# Altium PCB Ixora.PcbDoc (part 7 of 13)
Units mm, origin at the board's own origin, x right, y up, seen from the top; angles counter-clockwise.
Board outline 125 x 90 mm, 6 copper layers (Top Layer, GND, Mid-Layer 1, Mid-Layer 2, POWER, Bottom Layer), stack 1.561 mm thick; 454 components, 512 nets, 2071 pads, 863 vias.
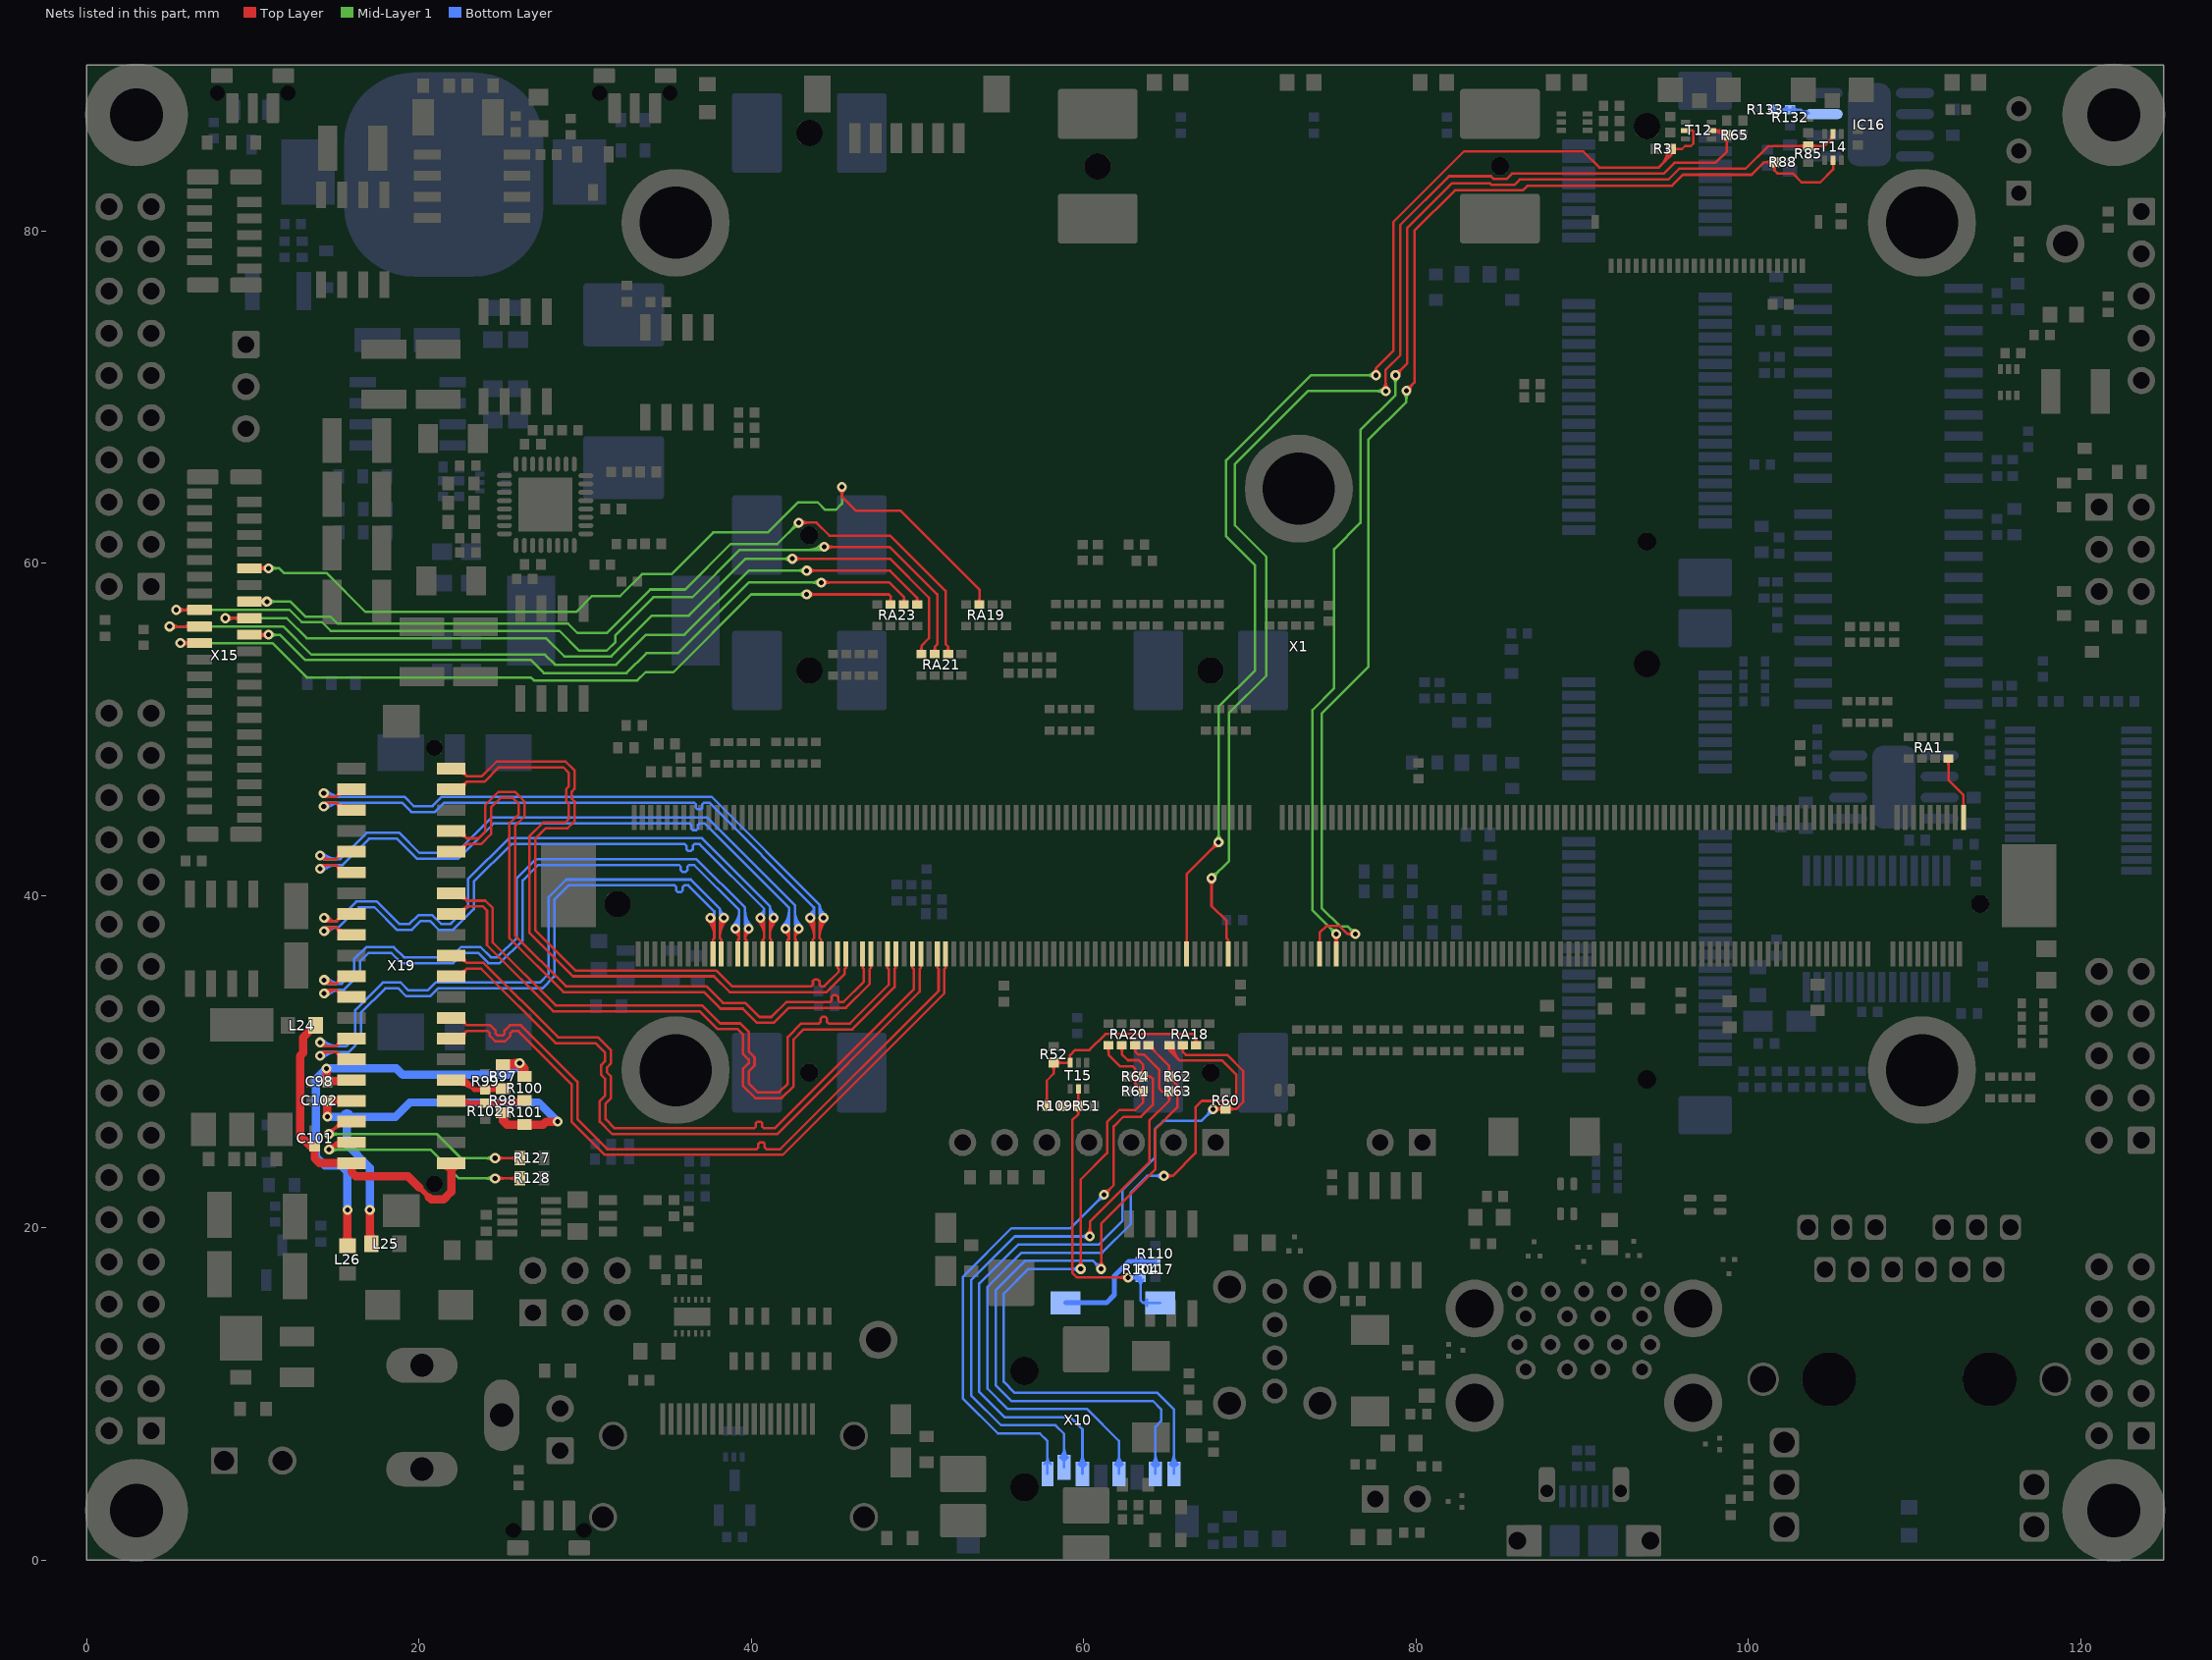
[diagram p11: the nets of this part, all layers, seen from the top]

## Via types
v1: diameter 0.6, hole 0.3, Top Layer to Bottom Layer, tented both sides, 852 vias
v2: diameter 0.6, hole 0.3, Top Layer to Bottom Layer, 11 vias

## Nets (pads, with @x,y where several pads share a name; then routed paths per layer and width w, separated by ;. In a path a pad name is that pad's centre, name@x,y a point inside that pad or via, vN(x,y) a via of type N, cw(c..) or ccw(c..) an arc to the next point about the centre after c; other vN are vias at no path point) (continued)
LCD1_R2: RA21.7 X15.27 | length 56.5
  Top Layer w0.15: X15.27@9.705,57.7 v1(10.855,57.7) ; X15.27@10.409,57.541 cw(c10.793,57.157) 10.793,57.7 cw(c10.793,58.243) X15.27@10.409,57.859 ; X15.27@10.445,57.588 cw(c10.531,57.539) 10.557,57.634 cw(c10.586,57.745) X15.27@10.473,57.73 ; X15.27@10.445,57.812 ccw(c10.531,57.861) 10.557,57.766 ccw(c10.586,57.655) X15.27@10.473,57.67 ; v1@10.696,57.541 ccw(c10.312,57.157) 10.312,57.7 ccw(c10.312,58.243) v1@10.696,57.859 ; v1(42.855,62.448) 43.927,62.448 44.704,61.671 48.362,61.671 51.695,58.338 51.695,55.139 51.847,54.987 RA21.7@51.847,54.555 ; v1@43.014,62.289 cw(c43.398,61.905) 43.398,62.448 cw(c43.398,62.991) v1@43.014,62.607 ; RA21.7@51.723,54.679 ccw(c51.425,54.978) 51.847,54.978 ccw(c52.27,54.978) RA21.7@51.971,54.679
  Mid-Layer 1 w0.15: v1(10.855,57.7) 12.277,57.7 13.183,56.794 14.681,56.794 15.113,56.363 28.987,56.363 29.55,55.8 31.3,55.8 33.926,58.426 36.024,58.426 38.755,61.158 41.565,61.158 v1(42.855,62.448) ; v1@11.014,57.541 cw(c11.398,57.157) 11.398,57.7 cw(c11.398,58.243) v1@11.014,57.859 ; v1@42.63,62.448 cw(c42.087,62.448) 42.471,62.064 cw(c42.855,61.68) v1@42.855,62.223
LCD1_R3: RA21.6 X15.26 | length 61.8
  Top Layer w0.15: v1(5.4,57.2) 5.45,57.2 X15.26@6.8,57.2 ; v1@5.559,57.041 cw(c5.943,56.657) 5.943,57.2 cw(c5.943,57.743) v1@5.559,57.359 ; X15.26@6.191,57.041 ccw(c5.807,56.657) 5.807,57.2 ccw(c5.807,57.743) X15.26@6.191,57.359 ; v1(44.383,60.992) 48.334,60.992 51.195,58.131 51.195,55.122 51.047,54.974 ; v1@44.542,60.833 cw(c44.926,60.449) 44.926,60.992 cw(c44.926,61.535) v1@44.542,61.151 ; RA21.6@50.924,54.68 ccw(c50.633,54.974) 51.047,54.974 ; RA21.6@51.047,54.555 51.047,54.974 ; RA21.6@51.17,54.68 cw(c51.462,54.974) 51.047,54.974
  Mid-Layer 1 w0.15: v1(5.4,57.2) 12.218,57.2 12.954,56.464 14.163,56.464 14.697,55.931 28.469,55.931 29.659,54.741 31.291,54.741 31.826,55.276 31.826,55.676 34.113,57.963 36.463,57.963 39.308,60.808 44.198,60.808 v1(44.383,60.992) ; v1@5.559,57.041 cw(c5.943,56.657) 5.943,57.2 cw(c5.943,57.743) v1@5.559,57.359 ; 43.394,60.808 ccw(c43.394,61.98) v1@44.224,61.151 ; 43.756,60.808 ccw(c43.756,61.618) v1@44.33,61.045 ; 44.119,60.808 ccw(c44.119,61.256) v1@44.436,60.939
LCD1_R4: RA21.5 X15.25 | length 57.5
  Top Layer w0.15: v1(8.35,56.7) X15.25@9.8,56.7 ; v1@8.509,56.541 cw(c8.893,56.157) 8.893,56.7 cw(c8.893,57.243) v1@8.509,56.859 ; X15.25@9.191,56.541 ccw(c8.807,56.157) 8.807,56.7 ccw(c8.807,57.243) X15.25@9.191,56.859 ; v1(42.474,60.277) 48.349,60.277 50.699,57.926 50.699,55.495 50.247,55.043 RA21.5@50.247,54.555 ; RA21.5@50.123,54.679 ccw(c49.825,54.978) 50.247,54.978 ccw(c50.67,54.978) RA21.5@50.371,54.679 ; 43.017,60.277 ccw(c43.017,59.734) 42.633,60.118 cw(c43.017,59.734) 43.017,60.277 ; 43.017,60.277 cw(c43.017,60.82) 42.633,60.436 ccw(c43.017,60.82) 43.017,60.277
  Mid-Layer 1 w0.15: v1(8.35,56.7) 12.058,56.7 13.259,55.499 27.652,55.499 28.751,54.4 31.584,54.4 34.034,56.85 36.25,56.85 39.677,60.277 v1(42.474,60.277) ; v1@8.509,56.541 cw(c8.893,56.157) 8.893,56.7 cw(c8.893,57.243) v1@8.509,56.859 ; v1@42.315,60.118 ccw(c41.931,59.734) 41.931,60.277 ccw(c41.931,60.82) v1@42.315,60.436
LCD1_R5: RA23.8 X15.24 | length 56.9
  Top Layer w0.15: v1(5,56.2) X15.24@6.8,56.2 ; v1@5.159,56.041 cw(c5.543,55.657) 5.543,56.2 cw(c5.543,56.743) v1@5.159,56.359 ; X15.24@6.191,56.041 ccw(c5.807,55.657) 5.807,56.2 ccw(c5.807,56.743) X15.24@6.191,56.359 ; v1(43.341,59.562) 48.353,59.562 49.987,57.927 ; RA23.8@49.87,57.666 ccw(c49.636,57.927) 49.987,57.927 ; RA23.8@49.987,57.536 49.987,57.927 ; RA23.8@50.104,57.666 cw(c50.338,57.927) 49.987,57.927 ; 43.885,59.562 cw(c43.885,60.105) 43.5,59.721 ccw(c43.885,60.105) 43.885,59.562 ; 43.885,59.562 ccw(c43.885,59.018) 43.5,59.403 cw(c43.885,59.018) 43.885,59.562
  Mid-Layer 1 w0.15: v1(5,56.2) 11.847,56.2 13.538,54.508 27.592,54.508 28.2,53.9 31.877,53.9 33.677,55.7 35.984,55.7 39.845,59.562 v1(43.341,59.562) ; v1@5.159,56.041 cw(c5.543,55.657) 5.543,56.2 cw(c5.543,56.743) v1@5.159,56.359 ; v1@43.182,59.403 ccw(c42.798,59.018) 42.798,59.562 ccw(c42.798,60.105) v1@43.182,59.721
LCD1_R6: RA23.7 X15.23 | length 49.4
  Top Layer w0.15: X15.23@9.8,55.7 v1(10.95,55.7) ; X15.23@10.409,55.541 cw(c10.793,55.157) 10.793,55.7 cw(c10.793,56.243) X15.23@10.409,55.859 ; X15.23@10.44,55.579 cw(c10.57,55.496) 10.61,55.645 cw(c10.668,55.861) X15.23@10.46,55.781 ; X15.23@10.44,55.821 ccw(c10.57,55.904) 10.61,55.755 ccw(c10.668,55.539) X15.23@10.46,55.619 ; v1@10.791,55.541 ccw(c10.407,55.157) 10.407,55.7 ccw(c10.407,56.243) v1@10.791,55.859 ; v1(44.209,58.846) 48.316,58.846 49.187,57.976 RA23.7@49.187,57.536 ; v1@44.368,58.687 cw(c44.752,58.303) 44.752,58.846 cw(c44.752,59.39) v1@44.368,59.006 ; RA23.7@49.063,57.659 ccw(c48.765,57.958) 49.187,57.958 ccw(c49.609,57.958) RA23.7@49.311,57.659
  Mid-Layer 1 w0.15: v1(10.95,55.7) 11.635,55.7 13.157,54.178 26.746,54.178 27.524,53.4 32.5,53.4 33.7,54.6 35.6,54.6 39.846,58.846 v1(44.209,58.846) ; v1@11.109,55.541 cw(c11.493,55.157) 11.493,55.7 cw(c11.493,56.243) v1@11.109,55.859 ; v1@11.16,55.619 cw(c11.279,55.572) 11.279,55.7 cw(c11.279,55.828) v1@11.16,55.781 ; v1@44.05,58.687 ccw(c43.666,58.303) 43.666,58.846 ccw(c43.666,59.39) v1@44.05,59.006
LCD1_R7: RA23.6 X15.22 | length 53.2
  Top Layer w0.15: v1(5.65,55.2) X15.22@6.8,55.2 ; v1@5.809,55.041 cw(c6.193,54.657) 6.193,55.2 cw(c6.193,55.743) v1@5.809,55.359 ; X15.22@6.14,55.119 ccw(c5.932,55.039) 5.99,55.255 ccw(c6.03,55.404) X15.22@6.16,55.321 ; X15.22@6.14,55.281 cw(c5.932,55.361) 5.99,55.145 cw(c6.03,54.996) X15.22@6.16,55.079 ; X15.22@6.191,55.041 ccw(c5.807,54.657) 5.807,55.2 ccw(c5.807,55.743) X15.22@6.191,55.359 ; v1(43.341,58.131) 48.28,58.131 48.387,58.024 RA23.6@48.387,57.536 ; v1@43.5,57.972 cw(c43.885,57.588) 43.885,58.131 cw(c43.885,58.674) v1@43.5,58.29 ; RA23.6@48.263,57.659 ccw(c47.965,57.958) 48.387,57.958 ccw(c48.809,57.958) RA23.6@48.511,57.659
  Mid-Layer 1 w0.15: v1(5.65,55.2) 11.189,55.2 13.252,53.137 26.738,53.137 26.925,52.95 33.15,52.95 33.65,53.45 35.315,53.45 39.996,58.131 v1(43.341,58.131) ; v1@5.809,55.041 cw(c6.193,54.657) 6.193,55.2 cw(c6.193,55.743) v1@5.809,55.359 ; v1@43.182,57.972 ccw(c42.798,57.588) 42.798,58.131 ccw(c42.798,58.674) v1@43.182,58.29
LCD1_VSYNC: RA19.6 X15.31 | length 58.6
  Top Layer w0.15: X15.31@9.8,59.7 v1(10.95,59.7) ; X15.31@10.409,59.541 cw(c10.793,59.157) 10.793,59.7 cw(c10.793,60.243) X15.31@10.409,59.859 ; X15.31@10.44,59.579 cw(c10.57,59.496) 10.61,59.645 cw(c10.668,59.861) X15.31@10.46,59.781 ; X15.31@10.44,59.821 ccw(c10.57,59.904) 10.61,59.755 ccw(c10.668,59.539) X15.31@10.46,59.619 ; v1@10.791,59.541 ccw(c10.407,59.157) 10.407,59.7 ccw(c10.407,60.243) v1@10.791,59.859 ; v1@45.298,64.434 cw(c44.914,64.05) 45.458,64.05 cw(c46.001,64.05) v1@45.617,64.434 ; v1(45.458,64.593) 45.458,64.016 46.308,63.166 48.988,63.166 53.734,58.42 RA19.6@53.734,57.536 ; RA19.6@53.611,57.659 ccw(c53.312,57.958) 53.734,57.958 ccw(c54.157,57.958) RA19.6@53.858,57.659
  Mid-Layer 1 w0.15: v1(10.95,59.7) 11.6,59.7 11.875,59.425 14.439,59.425 16.789,57.074 29.464,57.074 30.429,58.039 32.119,58.039 33.433,59.353 35.198,59.353 37.704,61.859 41.006,61.859 42.824,63.678 43.993,63.678 44.45,63.221 45.085,63.221 45.458,63.593 v1(45.458,64.593) ; v1@11.109,59.541 cw(c11.493,59.157) 11.493,59.7 cw(c11.493,60.243) v1@11.109,59.859 ; v1@45.298,64.434 cw(c44.914,64.05) 45.458,64.05 cw(c46.001,64.05) v1@45.617,64.434
LED_4_GREEN: R3.1 T12.2 X1.188 | length 82.6
  Top Layer w0.15: X1.188@66.2,36.5 66.2,41.283 v1(68.123,43.205) ; v1@67.898,43.205 cw(c67.355,43.205) 67.739,42.821 cw(c68.123,42.437) v1@68.123,42.98 ; v1@77.468,71.508 ccw(c77.295,71.755) 77.597,71.755 ; v1(77.597,71.323) 77.597,71.755 ; v1@77.726,71.508 cw(c77.899,71.755) 77.597,71.755 ; 94.737,83.942 ccw(c93.766,84.913) R3.1@95.139,84.913 ; 94.993,84.198 ccw(c94.278,84.913) R3.1@95.289,84.913 ; R3.1@95.246,84.729 cw(c95.148,84.554) 95.349,84.554 ; 95.249,84.454 ccw(c94.791,84.913) R3.1@95.439,84.913 ; R3.1@95.452,84.729 ccw(c95.55,84.554) 95.349,84.554 ; R3.1@95.52,84.815 cw(c95.758,84.644) 95.758,84.938 cw(c95.758,85.231) R3.1@95.52,85.06 ; T12.2@96.213,86.055 96.622,86.055 96.698,85.979 96.698,85.268 96.545,85.115 96.19,85.115 96.012,84.938 R3.1@95.349,84.938 95.349,84.554 ; T12.2@96.401,86.002 cw(c96.529,85.874) 96.529,86.055 cw(c96.529,86.236) T12.2@96.401,86.108 ; 66.2,37.306 cw(c66.019,37.306) 66.147,37.178 ccw(c66.019,37.306) 66.2,37.306 ; 66.2,37.306 ccw(c66.381,37.306) 66.253,37.178 cw(c66.381,37.306) 66.2,37.306 ; 77.597,71.755 78.632,72.79 78.632,80.539 82.885,84.792 90.062,84.792 91.034,83.82 94.615,83.82 95.349,84.554
  Mid-Layer 1 w0.15: v1@67.964,43.364 ccw(c67.58,43.749) 68.123,43.749 ccw(c68.666,43.749) v1@68.282,43.364 ; v1(68.123,43.205) 68.123,51.359 70.325,53.561 70.325,59.875 68.572,61.628 68.572,66.207 73.688,71.323 v1(77.597,71.323) ; v1@77.438,71.164 ccw(c77.054,70.78) 77.054,71.323 ccw(c77.054,71.866) v1@77.438,71.482
LED_4_RED: R65.1 T12.5 X1.178 | length 84.3
  Top Layer w0.15: v1@67.541,40.887 cw(c67.157,40.503) 67.7,40.503 cw(c68.243,40.503) v1@67.859,40.887 ; v1(67.7,41.046) 67.7,39.386 68.605,38.481 68.605,37.44 68.7,37.345 X1.178@68.7,36.5 ; X1.178@68.647,37.153 ccw(c68.519,37.281) 68.7,37.281 ccw(c68.881,37.281) X1.178@68.753,37.153 ; v1@78.022,70.526 ccw(c77.638,70.91) 78.181,70.91 ccw(c78.724,70.91) v1@78.34,70.526 ; v1(78.181,70.367) 78.181,71.653 79.057,72.53 79.057,80.362 81.994,83.299 84.513,83.299 84.678,83.134 85.446,83.134 85.769,83.457 94.913,83.457 95.555,84.099 98.019,84.099 98.707,84.788 R65.1@98.707,85.776 ; T12.5@97.981,86.002 cw(c98.109,85.874) 98.109,86.055 cw(c98.109,86.236) T12.5@97.981,86.108 ; T12.5@97.993,86.093 ccw(c98.253,86.243) 98.175,85.953 ; 98.088,86.055 cw(c98.088,85.349) R65.1@98.659,85.765 ; 98.383,86.055 cw(c98.383,85.564) R65.1@98.78,85.854 ; 98.404,86.025 cw(c98.179,85.801) R65.1@98.497,85.801 ; R65.1@98.537,85.677 ccw(c97.793,85.133) T12.5@97.793,86.055 98.374,86.055 ; R65.1@98.564,85.597 cw(c98.263,85.27) 98.707,85.27 cw(c99.151,85.27) R65.1@98.85,85.597 ; R65.1@98.635,85.998 cw(c98.549,86.23) 98.374,86.055 ; R65.1@98.656,85.776 98.654,85.776 98.374,86.055
  Mid-Layer 1 w0.15: v1(67.7,41.046) 68.758,42.104 68.758,51.003 70.993,53.238 70.993,60.401 69.113,62.281 69.113,65.983 73.497,70.367 v1(78.181,70.367) ; v1@67.7,41.271 ccw(c67.7,41.815) 68.084,41.431 ccw(c68.468,41.046) v1@67.925,41.046 ; v1@78.022,70.208 ccw(c77.638,69.824) 77.638,70.367 ccw(c77.638,70.91) v1@78.022,70.526
LED_5_GREEN: R85.1 T14.2 X1.152 | length 80.7
  Top Layer w0.15: v1@75.041,37.541 cw(c74.657,37.157) 75.2,37.157 cw(c75.743,37.157) v1@75.359,37.541 ; X1.152@75.135,37.138 ccw(c74.935,37.253) 75.158,37.313 ; X1.152@75.147,37.153 ccw(c75.019,37.281) 75.2,37.281 ccw(c75.381,37.281) X1.152@75.253,37.153 ; X1.152@75.2,36.5 v1(75.2,37.7) ; 75.242,37.313 ccw(c75.465,37.253) X1.152@75.265,37.138 ; v1(78.765,71.323) 79.483,72.041 79.483,80.186 82.171,82.874 84.436,82.874 84.531,82.779 85.928,82.779 86.244,83.094 95.185,83.094 95.834,83.744 99.822,83.744 101.188,85.11 R85.1@103.6,85.11 104.552,85.11 105.1,85.657 T14.2@105.1,85.84 ; v1@78.765,71.548 ccw(c78.765,72.091) 79.149,71.707 ccw(c79.534,71.323) v1@78.99,71.323 ; R85.1@103.427,84.962 ccw(c103.068,84.603) 103.068,85.11 ccw(c103.068,85.617) R85.1@103.427,85.258 ; R85.1@103.773,84.962 cw(c104.132,84.603) 104.132,85.11 cw(c104.132,85.617) R85.1@103.773,85.258 ; 104.938,85.496 ccw(c104.729,85.705) T14.2@105.025,85.705
  Mid-Layer 1 w0.15: v1@74.975,37.7 ccw(c74.432,37.7) 74.816,38.084 ccw(c75.2,38.468) v1@75.2,37.925 ; v1(75.2,37.7) 73.779,39.121 73.779,51.176 75.082,52.479 75.082,60.858 76.657,62.433 76.657,68.021 78.765,70.129 v1(78.765,71.323) ; v1@78.606,71.164 cw(c78.222,70.78) 78.765,70.78 cw(c79.309,70.78) v1@78.924,71.164
LED_5_RED: R88.1 T14.5 X1.156 | length 83.4
  Top Layer w0.15: X1.156@74.147,37.153 ccw(c74.019,37.281) 74.2,37.281 ccw(c74.381,37.281) X1.156@74.253,37.153 ; X1.156@74.2,36.5 74.2,37.776 74.599,38.175 75.397,38.175 75.872,37.7 ; v1@76.17,37.558 ccw(c75.872,37.316) 75.872,37.7 ; v1@76.17,37.842 cw(c75.872,38.084) 75.872,37.7 ; v1(76.344,37.7) 75.872,37.7 ; v1(79.423,70.397) 79.908,70.882 79.908,80.01 82.347,82.448 86.436,82.448 86.719,82.731 95.406,82.731 96.063,83.388 100.203,83.388 100.965,84.15 R88.1@101.577,84.15 101.577,83.64 ; v1@79.423,70.622 ccw(c79.423,71.165) 79.807,70.781 ccw(c80.191,70.397) v1@79.648,70.397 ; R88.1@101.429,84.002 ccw(c101.07,83.643) 101.07,84.15 ccw(c101.07,84.657) R88.1@101.429,84.299 ; R88.1@101.433,83.972 cw(c101.121,83.64) 101.577,83.64 ; R88.1@101.721,83.972 ccw(c102.033,83.64) 101.577,83.64 ; T14.5@105.047,84.072 cw(c104.919,83.944) 105.1,83.944 cw(c105.281,83.944) T14.5@105.153,84.072 ; T14.5@105.1,84.26 105.1,83.713 104.318,82.931 103.2,82.931 102.667,83.464 101.752,83.464 101.577,83.64
  Mid-Layer 1 w0.15: v1@76.119,37.7 ccw(c75.576,37.7) 75.96,38.084 ccw(c76.344,38.468) v1@76.344,37.925 ; v1(76.344,37.7) 75.894,38.151 75.438,38.151 74.32,39.268 74.32,50.952 77.131,53.763 77.131,67.429 79.423,69.72 v1(79.423,70.397) ; v1@79.264,70.238 cw(c78.88,69.853) 79.423,69.853 cw(c79.966,69.853) v1@79.582,70.238
LVDS1_3.3V_SW: C98.2 L26.2 R97.1 R100.1 X19.32 | length 34.4
  Top Layer w0.3: X19.32@15.9,28.85 X19.32@15.95,28.9
  Top Layer w0.5: C98.2@14.45,28.85 X19.32@15.9,28.85 ; C98.2@14.45,29 v1(14.45,29.6) ; 15.088,28.85 ccw(c15.088,29.262) X19.32@15.379,28.971 ; L26.2@15.569,19.223 ccw(c15.253,19.539) 15.7,19.539 ccw(c16.147,19.539) L26.2@15.831,19.223 ; L26.2@15.7,18.94 v1(15.7,21.1) ; R97.1@25.05,29.825 25.6,29.825 ; R97.1@25.196,29.884 ccw(c25.426,30.174) 25.687,29.912 ; v1@26.027,29.877 cw(c25.248,29.098) R100.1@26.35,29.098 ; v1@26.035,29.871 ccw(c25.846,29.579) 25.6,29.825 ; v1@26.053,29.863 cw(c25.986,29.506) 26.35,29.506 ; v1(26.063,29.913) cw(c25.602,29.452) R100.1@26.183,29.159 ; R100.1@26.188,29.167 ccw(c25.848,29.393) 26.242,29.499 ; R100.1@26.35,29.125 26.35,29.625 v1(26.063,29.913) 25.687,29.913 ; 25.6,29.825 25.687,29.913 ; R97.1@25.203,29.772 cw(c25.542,29.433) 25.542,29.913 ccw(c25.542,29.433) R97.1@25.203,29.772 ; 25.731,29.825 ccw(c25.731,30.244) 26.027,29.948 cw(c25.731,30.244) 25.731,29.825
  Bottom Layer w0.5: v1(15.7,21.1) 15.7,23.365 15.291,23.774 14.326,23.774 13.8,24.3 13.8,28.95 v1(14.45,29.6) 18.65,29.6 19.025,29.225 25.375,29.225 v1(26.063,29.913)
LVDS1_5V: C102.2 L25.2 R98.1 R101.1 X19.34 | length 32.6
  Top Layer w0.5: v1(14.49,26.7) C102.2@14.49,27.65 X19.34@15.95,27.65 ; 17.05,19.798 ccw(c17.831,19.798) L25.2@17.279,19.246 ; v1(17.05,21.1) 17.05,19.068 17.068,19.05 L25.2@17.148,19.05 ; R98.1@25.05,26.925 25.05,26.46 25.285,26.225 ; R98.1@25.213,26.885 ccw(c25.659,26.599) 25.285,26.225 ; v1(28.35,26.4) 27.655,26.4 27.48,26.225 R101.1@26.35,26.225 25.285,26.225
  Bottom Layer w0.254: 15.358,26.7 ccw(c15.672,26.695) 15.672,26.381 ccw(c15.672,26.695) 15.986,26.695 ccw(c15.672,26.695) 15.986,26.7 ccw(c15.672,26.695) 15.358,26.7
  Bottom Layer w0.5: v1(14.49,26.7) 15.358,26.7 15.986,26.7 18.6,26.7 19.459,27.559 27.191,27.559 v1(28.35,26.4) ; 15.672,26.695 15.672,26.381 15.672,25.009 17.05,23.631 v1(17.05,21.1)
LVDS1_A_CLK_N: X1.246 X19.27 | length 42.4
  Top Layer w0.15: X19.27@21.95,31.4 22.433,31.4 22.883,31.85 ; X19.27@22.453,31.675 ccw(c22.46,32.273) 22.883,31.85 ; X19.27@22.724,31.421 cw(c23.269,31.464) 22.883,31.85 ; X1.246@51.7,36.5 51.7,35.661 51.625,35.586 51.625,34.13 41.895,24.4 31.188,24.4 29.189,26.4 29.189,28.658 25.997,31.85 25.631,31.85 25.511,31.73 25.511,31.562 25.186,31.237 24.596,31.237 24.271,31.562 24.271,31.73 24.151,31.85 22.883,31.85
LVDS1_A_CLK_P: X1.248 X19.25 | length 42.4
  Top Layer w0.15: X19.25@21.95,32.65 22.433,32.65 22.883,32.2 ; X19.25@22.453,32.375 cw(c22.46,31.777) 22.883,32.2 ; X19.25@22.724,32.629 ccw(c23.269,32.586) 22.883,32.2 ; X1.248@51.2,36.5 51.2,35.661 51.275,35.586 51.275,34.275 41.75,24.75 41.4,24.75 40.913,24.75 40.815,24.847 40.815,25.057 40.718,25.154 40.523,25.154 40.425,25.057 40.425,24.847 40.328,24.75 31.333,24.75 29.539,26.545 29.539,28.803 26.142,32.2 25.486,32.2 25.161,31.875 25.161,31.707 25.041,31.587 24.741,31.587 24.621,31.707 24.621,31.875 24.296,32.2 22.883,32.2
LVDS1_A_TX0_N: X1.252 X19.21 | length 42.4
  Top Layer w0.15: X19.21@21.95,35.15 22.433,35.15 22.883,35.6 ; X19.21@22.453,35.425 ccw(c22.46,36.023) 22.883,35.6 ; X19.21@22.724,35.171 cw(c23.269,35.214) 22.883,35.6 ; X1.252@50.2,36.5 50.2,35.661 50.125,35.586 50.125,34.22 41.555,25.65 31.645,25.65 30.892,26.403 30.892,27.641 31.2,27.949 31.2,28.993 30.972,29.221 30.972,29.811 31.2,30.039 31.2,30.565 30.635,31.13 28.23,31.13 23.76,35.6 22.883,35.6
LVDS1_A_TX0_P: X1.254 X19.19 | length 42.4
  Top Layer w0.15: X19.19@21.95,36.4 22.433,36.4 22.883,35.95 ; X19.19@22.453,36.125 cw(c22.46,35.527) 22.883,35.95 ; X19.19@22.724,36.379 ccw(c23.269,36.336) 22.883,35.95 ; X1.254@49.7,36.5 49.7,35.661 49.775,35.586 49.775,34.365 41.41,26 41.25,26 40.763,26 40.665,26.097 40.665,26.307 40.568,26.404 40.373,26.404 40.275,26.307 40.275,26.097 40.178,26 31.79,26 31.242,26.548 31.242,27.496 31.55,27.804 31.55,29.138 31.322,29.366 31.322,29.666 31.55,29.894 31.55,30.71 30.78,31.48 28.375,31.48 23.905,35.95 22.883,35.95
LVDS1_A_TX1_N: X1.258 X19.15 | length 42.4
  Top Layer w0.15: X19.15@21.95,38.9 22.433,38.9 22.883,39.35 ; X19.15@22.453,39.175 ccw(c22.46,39.773) 22.883,39.35 ; X19.15@22.724,38.921 cw(c23.269,38.964) 22.883,39.35 ; X1.258@48.7,36.5 48.7,35.661 48.625,35.586 48.625,34.49 46.087,31.952 43.147,31.952 42.55,31.355 42.55,28.542 41.826,27.819 40.241,27.819 39.5,28.56 39.5,29.569 39.849,29.918 39.849,30.129 39.5,30.478 39.5,31.655 39.19,31.965 37.988,31.965 36.903,33.05 28.078,33.05 24.1,37.028 24.1,39.1 23.85,39.35 22.883,39.35
LVDS1_A_TX1_P: X1.260 X19.13 | length 42.4
  Top Layer w0.15: X19.13@21.95,40.15 22.433,40.15 22.883,39.7 ; X19.13@22.453,39.875 cw(c22.46,39.277) 22.883,39.7 ; X19.13@22.724,40.129 ccw(c23.269,40.086) 22.883,39.7 ; X1.260@48.2,36.5 48.2,35.661 48.275,35.586 48.275,34.635 45.942,32.302 44.663,32.302 44.565,32.4 44.565,32.609 44.468,32.706 44.273,32.706 44.175,32.609 44.175,32.4 44.078,32.302 43.002,32.302 42.2,31.5 42.2,28.687 41.681,28.169 40.386,28.169 39.85,28.705 39.85,29.424 40.199,29.773 40.199,30.274 39.85,30.623 39.85,31.8 39.335,32.315 38.133,32.315 37.047,33.4 28.223,33.4 24.45,37.173 24.45,39.245 23.995,39.7 22.883,39.7
LVDS1_A_TX2_N: X1.264 X19.9 | length 42.4
  Top Layer w0.15: X19.9@21.95,42.65 22.433,42.65 22.883,43.1 ; X19.9@22.453,42.925 ccw(c22.46,43.523) 22.883,43.1 ; X19.9@22.724,42.671 cw(c23.269,42.714) 22.883,43.1 ; X1.264@47.2,36.5 47.2,35.661 47.125,35.586 47.125,34.68 45.695,33.25 42.257,33.25 41.357,32.35 40.349,32.35 39.499,33.2 38.155,33.2 37.155,34.2 28.7,34.2 25.445,37.455 25.445,44.345 26.01,44.91 26.01,45.515 25.625,45.9 24.94,45.9 24.34,45.3 24.34,43.703 23.737,43.1 22.883,43.1
LVDS1_A_TX2_P: X1.266 X19.7 | length 42.4
  Top Layer w0.15: X19.7@21.95,43.9 22.433,43.9 22.883,43.45 ; X19.7@22.453,43.625 cw(c22.46,43.027) 22.883,43.45 ; X19.7@22.724,43.879 ccw(c23.269,43.836) 22.883,43.45 ; X1.266@46.7,36.5 46.7,35.661 46.775,35.586 46.775,34.825 45.55,33.6 45.324,33.6 45.226,33.697 45.226,33.907 45.129,34.004 44.934,34.004 44.836,33.907 44.836,33.697 44.739,33.6 42.112,33.6 41.212,32.7 40.494,32.7 39.644,33.55 38.3,33.55 37.3,34.55 28.845,34.55 25.795,37.6 25.795,44.2 26.36,44.765 26.36,45.66 25.77,46.25 24.795,46.25 23.99,45.445 23.99,43.848 23.592,43.45 22.883,43.45
LVDS1_A_TX3_N: X1.270 X19.3 | length 42.4
  Top Layer w0.15: X19.3@21.95,46.4 22.433,46.4 22.883,46.85 ; X19.3@22.453,46.675 ccw(c22.46,47.273) 22.883,46.85 ; X19.3@22.724,46.421 cw(c23.269,46.464) 22.883,46.85 ; X1.270@45.7,36.5 45.7,35.661 45.625,35.586 45.625,35.288 44.537,34.2 38.705,34.2 37.755,35.15 29.275,35.15 26.65,37.775 26.65,43.57 27.49,44.41 28.815,44.41 29.012,44.607 29.012,45.534 28.857,45.689 28.857,46.413 29.012,46.569 29.012,47.404 28.691,47.725 24.82,47.725 23.945,46.85 22.883,46.85
LVDS1_A_TX3_P: X1.272 X19.1 | length 42.4
  Top Layer w0.15: X19.1@21.95,47.65 22.433,47.65 22.883,47.2 ; X19.1@22.453,47.375 cw(c22.46,46.777) 22.883,47.2 ; X19.1@22.724,47.629 ccw(c23.269,47.586) 22.883,47.2 ; X1.272@45.2,36.5 45.2,35.661 45.275,35.586 45.275,35.432 44.393,34.55 44.2,34.55 44.103,34.647 44.103,34.857 44.005,34.954 43.81,34.954 43.713,34.857 43.713,34.647 43.615,34.55 38.85,34.55 37.9,35.5 29.42,35.5 27,37.92 27,43.425 27.635,44.06 28.96,44.06 29.362,44.462 29.362,45.679 29.207,45.834 29.207,46.269 29.362,46.424 29.362,47.549 28.836,48.075 24.675,48.075 23.8,47.2 22.883,47.2